# Altium PCB RTM_SFP_no-teardrops.PcbDoc (part 4 of 7) (continued)
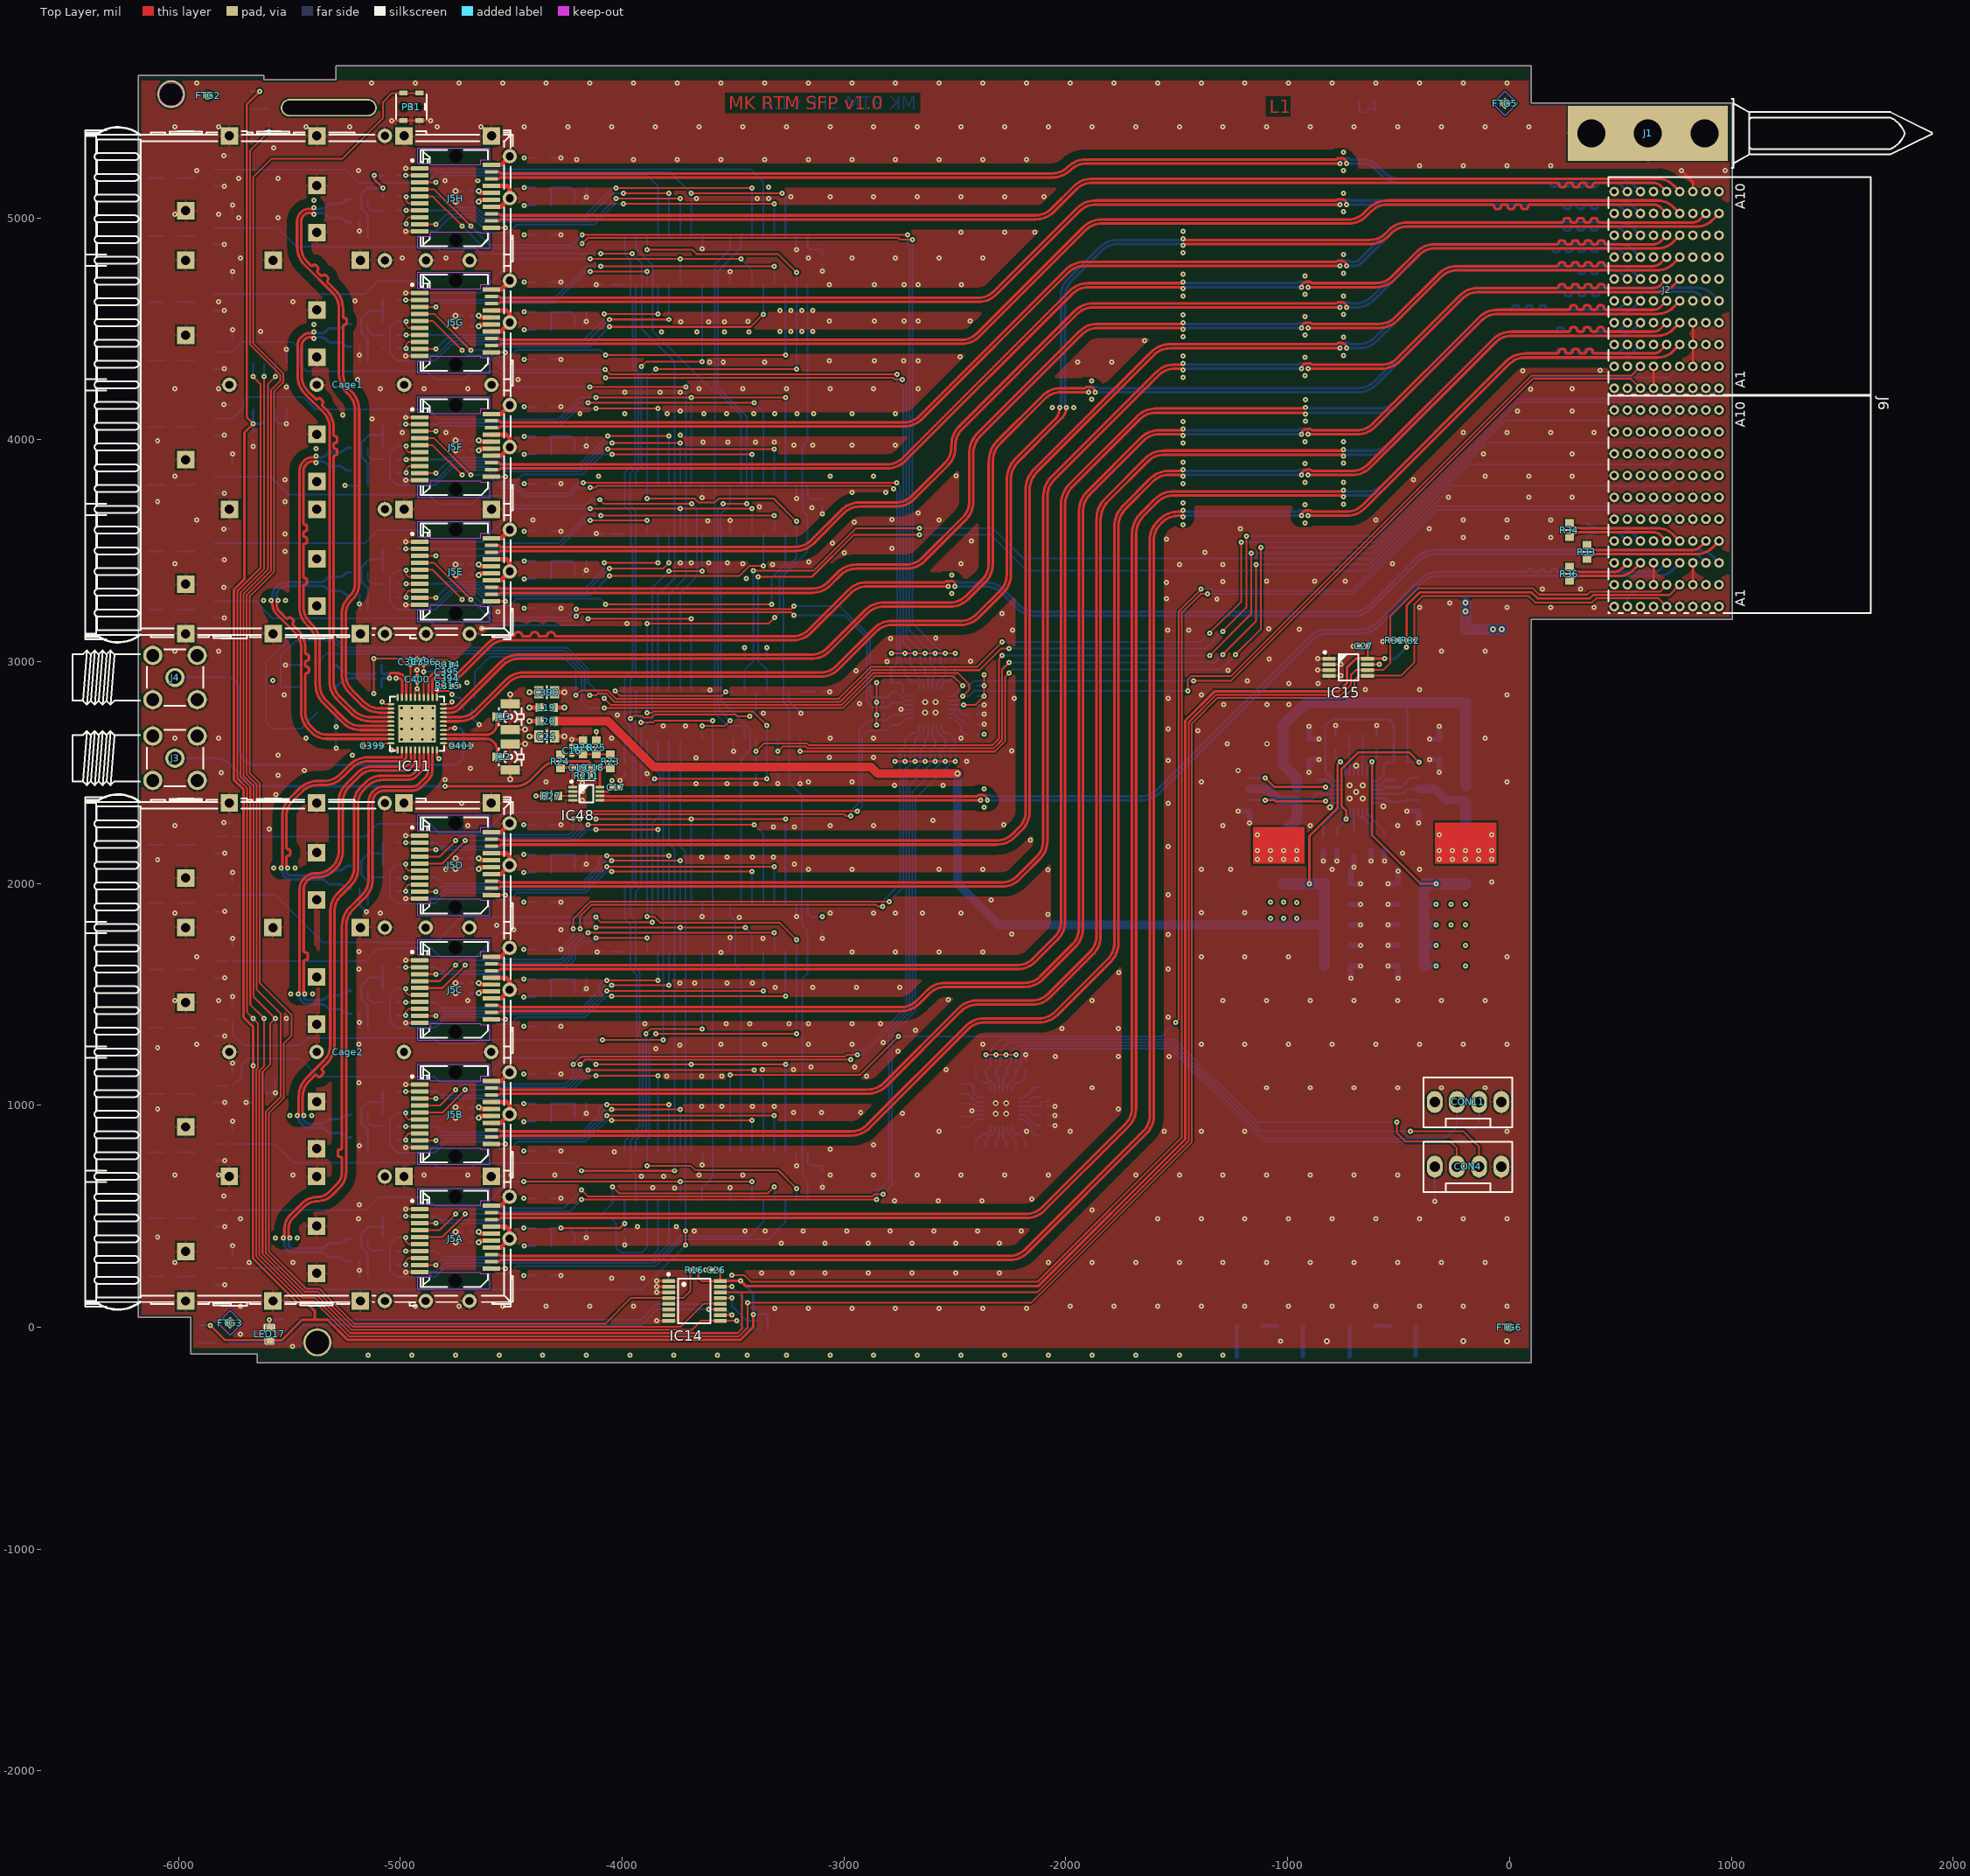
[diagram p0: Top Layer view]
## Nets (pads, with @x,y where several pads share a name; then routed paths per layer and width w, separated by ;. In a path a pad name is that pad's centre, name@x,y a point inside that pad or via, vN(x,y) a via of type N, cw(c..) or ccw(c..) an arc to the next point about the centre after c; other vN are vias at no path point) (continued)
  Bottom Layer w7.99: LD2F.1@-6138.78,3796.26 R11F.2@-6064.96,3796.26
NetLD2G_1: LD2G.1 R11G.2 | length 73.8
  Bottom Layer w7.99: LD2G.1@-6138.78,4357.28 R11G.2@-6064.96,4357.28
NetLD2H_1: LD2H.1 R11H.2 | length 73.8
  Bottom Layer w7.99: LD2H.1@-6138.78,4918.31 R11H.2@-6064.96,4918.31
NetR1A_1: R1A.1 T2A.3 | length 74.8
  Bottom Layer w7.99: R1A.1@-6000.41,490.11 T2A.3@-5925.61,490.11
NetR1B_1: R1B.1 T2B.3 | length 74.8
  Bottom Layer w7.99: R1B.1@-6000.98,1051.18 T2B.3@-5926.18,1051.18
NetR1C_1: R1C.1 T2C.3 | length 74.8
  Bottom Layer w7.99: R1C.1@-6000.98,1612.2 T2C.3@-5926.18,1612.2
NetR1D_1: R1D.1 T2D.3 | length 74.8
  Bottom Layer w7.99: R1D.1@-6000.98,2173.23 T2D.3@-5926.18,2173.23
NetR1E_1: R1E.1 T2E.3 | length 74.8
  Bottom Layer w7.99: R1E.1@-6001.97,3497.05 T2E.3@-5927.17,3497.05
NetR1F_1: R1F.1 T2F.3 | length 74.8
  Bottom Layer w7.99: R1F.1@-6001.97,4058.07 T2F.3@-5927.17,4058.07
NetR1G_1: R1G.1 T2G.3 | length 74.8
  Bottom Layer w7.99: R1G.1@-6001.97,4619.09 T2G.3@-5927.17,4619.09
NetR1H_1: R1H.1 T2H.3 | length 74.8
  Bottom Layer w7.99: R1H.1@-6001.97,5180.12 T2H.3@-5927.17,5180.12
NetR11A_1: R11A.1 T1A.3 | length 74.8
  Bottom Layer w7.99: R11A.1@-6000.41,228.3 T1A.3@-5925.61,228.3
NetR11B_1: R11B.1 T1B.3 | length 74.8
  Bottom Layer w7.99: R11B.1@-6000.98,789.37 T1B.3@-5926.18,789.37
NetR11C_1: R11C.1 T1C.3 | length 74.8
  Bottom Layer w7.99: R11C.1@-6000.98,1350.39 T1C.3@-5926.18,1350.39
NetR11D_1: R11D.1 T1D.3 | length 74.8
  Bottom Layer w7.99: R11D.1@-6000.98,1911.42 T1D.3@-5926.18,1911.42
NetR11E_1: R11E.1 T1E.3 | length 74.8
  Bottom Layer w7.99: R11E.1@-6001.97,3235.24 T1E.3@-5927.17,3235.24
NetR11F_1: R11F.1 T1F.3 | length 74.8
  Bottom Layer w7.99: R11F.1@-6001.97,3796.26 T1F.3@-5927.17,3796.26
NetR11G_1: R11G.1 T1G.3 | length 74.8
  Bottom Layer w7.99: R11G.1@-6001.97,4357.28 T1G.3@-5927.17,4357.28
NetR11H_1: R11H.1 T1H.3 | length 74.8
  Bottom Layer w7.99: R11H.1@-6001.97,4918.31 T1H.3@-5927.17,4918.31
NetR19_2: R19.2 R20.1 | length 68.9
  Bottom Layer w19.68: R20.1@-606.31,6.35 R19.2@-537.42,6.35
NetR21_2: R21.2 R22.1 | length 68.7
  Bottom Layer w19.68: R22.1@-1114.98,6.35 R21.2@-1046.28,6.35
P2: IC14.12 R7.1 | length 7568.1
  Top Layer w7.99: v1(-5593.31,5388.19) -5678.06,5303.44 -5678.06,4429.73 -5541.99,4293.66 -5541.99,4263.7 -5583.65,4222.05 -5583.65,3409.31 -5692.67,3300.28 -5692.67,2491.06 -5648.61,2446.99 -5648.61,1523.02 -5540.55,1414.96 -5540.55,1037.8 -5607.48,970.87 -5607.48,336.1 -5430.83,159.45 -5371.77,159.45 -5213.84,1.51 -3736.68,1.51 -3632.48,105.71 IC14.12@-3558.27,105.71
  Bottom Layer w7.99: v1(-5593.31,5388.19) R7.1@-5593.31,5428.6
P2_BLUE: LDy.1 R7.2 | length 81.9
  Bottom Layer w7.99: LDy.1@-5675.25,5491.59 R7.2@-5593.31,5491.59
P2V5: C176.2 C179.2 C180.2 C181.2 C182.2 IC16.1 L2.2 L20.1 R195.1 | length 5442.6
  Top Layer w10: v1(-901.97,1998.82) -901.97,2213.39 -775.07,2340.29 -775.07,2534.38 v1(-761.81,2547.64)
  Top Layer w39.37: L20.1@-4308.27,2731.5 -4064.17,2731.5 -3858.27,2525.59 -2878.35,2525.59 -2847.24,2494.49 v2(-2488.58,2494.49)
  Bottom Layer w10: R195.1@-783.86,2607.48 -783.86,2569.29 -740.55,2525.98 IC16.1@-740.55,2489.37
  Bottom Layer w39.37: v2(-2488.58,2494.49) -2488.58,2000 -2302.36,1813.78 C180.2@-833.46,1813.78
  Bottom Layer w50: L2.2@-1018.5,1998.82 v1(-901.97,1998.82) C176.2@-833.46,1998.82 C179.2@-833.46,1906.3 C180.2@-833.46,1813.78 C182.2@-833.46,1721.26 C181.2@-833.46,1628.74
  other v1: -1077.56,1843.7 -1018.5,1843.7 -959.45,1843.7 -1077.56,1915.35 -1018.5,1915.35 -959.45,1914.57
P2V5_CLEAN: C24.2 C399.2 C400.2 C401.2 IC11.5 IC11.6 IC11.11 IC11.20 IC11.31 IC11.40 L20.2 | length 440.1
  Top Layer w7.99: v1(-5082.28,2621.26) -5072.05,2631.5 IC11.20@-5042.52,2631.5 ; v1(-5082.28,2818.9) -5072.05,2808.66 IC11.11@-5042.52,2808.66 ; IC11.6@-4934.25,2838.19 -4934.25,2868.5 v1(-4924.41,2878.35) -4914.57,2868.5 IC11.5@-4914.57,2838.19 ; IC11.31@-4806.3,2631.5 -4776.77,2631.5 v1(-4766.54,2621.26) ; IC11.40@-4806.3,2808.66 -4776.77,2808.66 v1(-4766.54,2818.9)
  Top Layer w10: C399.2@-5110.63,2621.26 v1(-5082.28,2621.26) ; v1(-4924.41,2878.35) C400.2@-4924.41,2906.69 ; v1(-4766.54,2621.26) C401.2@-4738.19,2621.26
  Top Layer w19.68: v2(-4418.5,2662.6) C24.2@-4375.2,2662.6 ; v2(-4418.5,2731.5) L20.2@-4371.26,2731.5
P3: IC14.11 R8.1 | length 2274.8
  Top Layer w7.99: v1(-3610.43,80.12) IC14.11@-3558.27,80.12
  Bottom Layer w7.99: R8.1@-5770.68,-70.42 -5515.3,-70.42 -5435.43,9.45 -3913.39,9.45 -3842.72,80.12 v1(-3610.43,80.12)
P3_GREEN: LDx.1 R8.2 | length 75.8
  Bottom Layer w7.99: LDx.1@-5909.5,-70.42 R8.2@-5833.68,-70.42
P3V3: C1.1 C2.1 C3.1 C4.1 C6.1 C7.1 C8.1 C13A.1 C13B.1 C13C.1 C13D.1 C13E.1 C13F.1 C13G.1 C13H.1 C15.2 C17.1 C20.1 C22.1 C23.1 C186A.1 C186B.1 C186C.1 C186D.1 C186E.1 C186F.1 C186G.1 C186H.1 C202A.2 C202B.2 C202C.2 C202D.2 C202E.2 C202F.2 C202G.2 C202H.2 C208.2 C209.2 C210.2 C213.2 C402.2 C403.2 C404.2 CON4.4 CON11.4 IC1.14 IC2.16 IC3.16 IC4.16 IC5.16 IC6.16 IC7.16 IC8.16 IC9.16 IC10.16 IC16.6 IC20A.1 IC20B.1 IC20C.1 IC20D.1 IC20E.1 IC20F.1 IC20G.1 IC20H.1 IC39.21 IC40.21 IC48.7 L1.2 L5A.1 L5B.1 L5C.1 L5D.1 L5E.1 L5F.1 L5G.1 L5H.1 L11A.1 L11B.1 L11C.1 L11D.1 L11E.1 L11F.1 L11G.1 L11H.1 L19.1 LD1A.2 LD1B.2 LD1C.2 LD1D.2 LD1E.2 LD1F.2 LD1G.2 LD1H.2 LD2A.2 LD2B.2 LD2C.2 LD2D.2 LD2E.2 LD2F.2 LD2G.2 LD2H.2 R25.1 R27.2 R28.2 R29.2 R53.2 R316.2 R317.2 R318.2 R319.2 R320.2 R321.2 R322.2 R323.2 R324.2 R325.2 R328.1 R329.2 R330.2 R331.2 R332.2 R333.2 R334.2 R335.2 R336.2 R337.2 R338.2 R339.2 R340.2 R341.2 R342.2 R343.2 R344.2 R345.2 R346.2 R350.2 R351.2 R352.2 R353.2 R354.2 R355.2 R356.2 R357.2 R400A.2 R400B.2 R400C.2 R400D.2 R400E.2 R400F.2 R400G.2 R400H.2 R403A.2 R403B.2 R403C.2 R403D.2 R403E.2 R403F.2 R403G.2 R403H.2 R404A.2 R404B.2 R404C.2 R404D.2 R404E.2 R404F.2 R404G.2 R404H.2 | length 10641.8
  Top Layer w7.99: C17.1@-4044.88,2433.46 v1(-4044.88,2464.17) ; v1(-2853.74,2713.78) v1(-2853.74,2758.86) v1(-2853.74,2815.75) v1(-2853.74,2906.1) ; v1(-2785.83,3036.81) v1(-2724.61,3036.81) v1(-2679.53,3036.81) v1(-2634.25,3036.81) v1(-2588.98,3036.81) v1(-2543.9,3036.81) v1(-2498.82,3036.81) ; v1(-2770.67,2551.18) v1(-2724.61,2551.18) v1(-2679.53,2551.18) v1(-2634.25,2551.18) v1(-2588.98,2551.18) v1(-2543.9,2551.18) v1(-2498.82,2551.18) ; v1(-2461.81,2803.94) -2409.24,2803.94 v1(-2368.11,2845.08) v1(-2368.11,2890.55) v1(-2368.11,2939.96) ; v1(-2361.08,1228.73) v1(-2315.8,1228.73) v1(-2270.53,1228.73) v1(-2225.45,1228.73)
  Top Layer w10: v1(-5118.7,5190.94) -5118.7,5174.41 v1(-5078.74,5134.45) ; v1@-4390.16,2394.09 R27.2@-4350.39,2394.09 ; v1(-4276.74,446.84) -4009.46,446.84 v1(-3988.98,467.32) ; R25.1@-4115.75,2644.88 v1(-4115.75,2684.65) ; IC48.7@-4100.39,2413.78 -4064.57,2413.78 C17.1@-4044.88,2433.46 ; v1(-619.29,2547.64) -619.29,2217.72 -400.39,1998.82 v1(-331.1,1998.82)
  Top Layer w19.68: L19.1@-4308.27,2792.52 v2(-4261.02,2792.52)
  Bottom Layer w7.99: C3.1@-3098.43,697.09 -3098.43,728.2 ; C4.1@-3098.43,1819.14 v1(-3098.43,1850.24) ; C8.1@-3098.43,4826.24 -3098.43,4857.34 ; v1(-2853.74,2713.78) R322.2@-2822.64,2713.78 ; v1(-2853.74,2758.86) R323.2@-2822.64,2758.86 ; v1(-2853.74,2815.75) R329.2@-2822.64,2815.75 ; v1(-2853.74,2906.1) R331.2@-2822.64,2906.1 ; v1(-2724.61,2551.18) R321.2@-2724.61,2582.28 ; R332.2@-2724.61,3005.71 v1(-2724.61,3036.81) ; v1(-2679.53,2551.18) R320.2@-2679.53,2582.28 ; R333.2@-2679.53,3005.71 v1(-2679.53,3036.81) ; v1(-2634.25,2551.18) R319.2@-2634.25,2582.28 ; R334.2@-2634.25,3005.71 v1(-2634.25,3036.81) ; v1(-2588.98,2551.18) R318.2@-2588.98,2582.28 ; R335.2@-2588.98,3005.71 v1(-2588.98,3036.81) ; v1(-2543.9,2551.18) R317.2@-2543.9,2582.28 ; R336.2@-2543.9,3005.71 v1(-2543.9,3036.81) ; IC39.21@-2530.26,2803.94 v1(-2461.81,2803.94) C404.2@-2430.71,2803.94 ; v1(-2498.82,2551.18) R316.2@-2498.82,2582.28 ; R328.1@-2498.82,3005.71 v1(-2498.82,3036.81) ; R28.2@-2399.21,2672.44 v1(-2368.11,2672.44) ; R324.2@-2399.21,2845.08 v1(-2368.11,2845.08) ; R325.2@-2399.21,2890.55 v1(-2368.11,2890.55) ; R354.2@-2361.08,1197.63 v1(-2361.08,1228.73) ; R355.2@-2315.8,1197.63 v1(-2315.8,1228.73) ; R356.2@-2270.53,1197.63 v1(-2270.53,1228.73) ; R357.2@-2225.45,1197.63 v1(-2225.45,1228.73) ; IC40.21@-2211.81,995.67 C402.2@-2112.26,995.67 -2112.26,1009.79 -2107.05,1015 -2085.4,1015 -2080.76,1019.63 R345.2@-2080.76,1036.8
  Bottom Layer w10: C202D.2@-5148.03,1909.06 -5146.85,1909.06 IC20D.1@-5146.85,1976.38 -5146.85,2009.84 -5175.2,2038.19 -5175.2,2103.35 -5142.53,2136.02 -5079.3,2136.02 ; C202A.2@-5146.85,227.9 IC20A.1@-5146.85,295.23 -5146.85,328.94 -5176.18,358.27 -5176.18,421.26 -5144.5,452.94 -5079.3,452.94 ; C202B.2@-5146.85,788.98 IC20B.1@-5146.85,856.3 -5146.85,889.76 -5175.2,918.11 -5175.2,983.27 -5144.5,1013.97 -5079.3,1013.97 ; C202C.2@-5146.85,1346.06 IC20C.1@-5146.85,1413.39 -5146.85,1446.85 -5175.2,1475.2 -5175.2,1540.35 -5140.56,1574.99 -5079.3,1574.99 ; C202E.2@-5146.85,3231.89 IC20E.1@-5146.85,3299.21 -5146.85,3332.68 -5175.2,3361.02 -5175.2,3426.18 -5141.34,3460.04 -5078.74,3460.04 ; C202F.2@-5146.85,3793.31 IC20F.1@-5146.85,3860.63 -5146.85,3894.09 -5175.2,3922.44 -5175.2,3987.6 -5141.73,4021.06 -5078.74,4021.06 ; C202G.2@-5146.85,4352.36 IC20G.1@-5146.85,4419.69 -5146.85,4453.15 -5175.2,4481.5 -5175.2,4546.65 -5139.76,4582.09 -5078.74,4582.09 ; C202H.2@-5146.85,4912.99 IC20H.1@-5146.85,4980.32 -5146.85,5013.78 -5175.2,5042.13 -5175.2,5107.28 -5148.03,5134.45 v1(-5078.74,5134.45) R403H.2@-5078.74,5094.49 ; v1(-5118.7,5190.94) R400H.2@-5078.74,5190.94 ; R403A.2@-5079.3,404.32 -5079.3,452.94 ; R400A.2@-5079.3,500.78 -5079.3,452.94 ; R403B.2@-5079.3,965.35 -5079.3,1013.97 ; R400B.2@-5079.3,1061.8 -5079.3,1013.97 ; R403C.2@-5079.3,1526.37 -5079.3,1574.99 ; R400C.2@-5079.3,1622.83 -5079.3,1574.99 ; R403D.2@-5079.3,2087.39 -5079.3,2136.02 ; R400D.2@-5079.3,2183.85 -5079.3,2136.02 ; R403E.2@-5078.74,3411.42 -5078.74,3460.04 ; R400E.2@-5078.74,3507.87 -5078.74,3460.04 ; R403F.2@-5078.74,3972.44 -5078.74,4021.06 ; R400F.2@-5078.74,4068.9 -5078.74,4021.06 ; R404G.2@-5078.74,4411.22 R404G.2@-5078.74,4411.62 ; R403G.2@-5078.74,4533.46 -5078.74,4582.09 ; R400G.2@-5078.74,4629.92 -5078.74,4582.09 ; L5A.1@-4321.43,446.84 L5A.1@-4320.87,446.84 ; L5B.1@-4321.43,1007.87 L5B.1@-4320.87,1007.87 ; L5C.1@-4321.43,1568.89 L5C.1@-4320.87,1568.89 -4215.13,1568.89 C186C.1@-4215.13,1507.87 ; L5D.1@-4321.43,2129.91 L5D.1@-4320.87,2129.91 ; L11A.1@-4320.87,366.13 L5A.1@-4320.87,446.84 ; L11B.1@-4320.87,927.16 L5B.1@-4320.87,1007.87 ; L11C.1@-4320.87,1488.18 L5C.1@-4320.87,1568.33 ; L11D.1@-4320.87,2049.21 L5D.1@-4320.87,2129.91 ; L11E.1@-4320.87,3373.23 L5E.1@-4320.87,3453.94 C13E.1@-4232.28,3453.94 -4214.57,3436.22 C186E.1@-4214.57,3392.91 ; L11F.1@-4320.87,3934.25 L5F.1@-4320.87,4014.96 C13F.1@-4232.28,4014.96 -4214.57,3997.24 C186F.1@-4214.57,3953.94 ; L11G.1@-4320.87,4495.28 L5G.1@-4320.87,4575.98 C13G.1@-4232.28,4575.98 -4214.57,4558.27 C186G.1@-4214.57,4514.96 ; L11H.1@-4320.87,5056.3 L5H.1@-4320.87,5137.01 C13H.1@-4232.28,5137.01 -4214.57,5119.29 C186H.1@-4214.57,5075.98 ; C186B.1@-4215.13,946.84 -4215.13,1007.87 L5B.1@-4320.87,1007.87 ; C186D.1@-4215.13,2068.89 -4215.13,2129.91 L5D.1@-4320.87,2129.91 ; C186A.1@-4214.85,385.54 -4214.85,420.56 -4232.84,438.55 -4232.84,446.84 v1(-4276.74,446.84) L5A.1@-4320.87,446.84 ; C7.1@-4049.61,3576.47 IC4.16@-3988.78,3576.47 ; C6.1@-4049.61,4698.52 IC3.16@-3988.78,4698.52 ; C22.1@-4046.06,1691.43 IC6.16@-3988.78,1691.43 ; C2.1@-3988.98,436.81 v1(-3988.98,467.32) -3988.78,467.52 IC8.16@-3988.78,569.38 ; C1.1@-3988.78,2540.75 IC10.16@-3988.78,2647.13 ; IC1.14@-3198.03,2864.17 C23.1@-3131.5,2864.17 ; IC9.16@-3164.17,785.68 -3164.17,738.58 -3153.79,728.2 -3098.43,728.2 ; IC7.16@-3164.17,1907.72 -3164.17,1864.17 -3150.24,1850.24 v1(-3098.43,1850.24) ; IC5.16@-3164.17,3792.77 -3164.17,3745.67 -3150.25,3731.75 C20.1@-3098.43,3731.75 ; IC2.16@-3164.17,4914.82 -3164.17,4866.14 -3155.37,4857.34 -3098.43,4857.34 ; IC16.6@-642.13,2489.37 -642.13,2524.8 -598.82,2568.11 R53.2@-598.82,2607.48 ; C403.2@-337.02,623.62 CON4.4@-337.02,723.87
  Bottom Layer w25: C15.2@-384.65,1628.74 v1(-331.1,1628.74) ; C213.2@-384.65,1721.26 v1(-331.1,1721.26) ; C210.2@-384.65,1813.78 v1(-331.1,1813.78) ; C208.2@-384.65,1906.3 v1(-331.1,1906.3)
  Bottom Layer w50: C15.2@-384.65,1628.74 C213.2@-384.65,1721.26 C210.2@-384.65,1813.78 C208.2@-384.65,1906.3 C209.2@-384.65,1998.82 v1(-331.1,1998.82) L1.2@-197.64,1998.82
  other v1: -197.64,1628.74 -197.64,1721.26 -264.17,1813.78 -197.64,1813.78 -264.17,1906.3 -197.64,1906.3 -4388.98,2394.09
P3V3_CLEAN: C390.2 C391.2 L19.2 OSC1.6 R311.2 | length 231.5
  Top Layer w19.68: v2(-4418.5,2792.52) L19.2@-4371.26,2792.52 ; v2(-4418.5,2861.42) C390.2@-4375.2,2861.42
  Bottom Layer w7.99: R311.2@-5575.98,2884.65 v1(-5575.98,2915.35)
  Bottom Layer w10: C391.2@-5289.76,2674.41 v1(-5289.76,2707.09) OSC1.6@-5289.76,2784.65
P3V3MP: C21.1 C25.1 C26.1 C27.1 IC12.8 IC13.7 IC13.8 IC14.16 IC15.8 J6.C2 LDx.2 LDy.2 LED17.A R14.1 R15.1 R16.1 R31.1 R32.1 | length 16349.4
  Top Layer w10: v1(-5857.14,8.32) -5790.21,-58.61 LED17.A@-5590.6,-58.61 ; v1(-5663.8,1178.87) -5664.45,1178.21 -5664.45,309.97 -5455.17,100.68 ; v1(-5663.8,4072.03) -5693.06,4101.29 -5693.06,5511.28 v1(-5634,5570.33) ; R16.1@-3657.09,257.48 -3657.09,223.62 -3641.54,208.07 IC14.16@-3558.27,208.07 C26.1@-3558.27,257.48 ; IC15.8@-639.37,3013.19 C27.1@-639.37,3069.69 ; R31.1@-501.59,3096.06 R32.1@-464.17,3096.06 ; v1(-464.17,3064.96) R32.1@-464.17,3096.06 ; J6.C2@767.72,3346.46 721.07,3299.81 376.98,3299.81 362.2,3285.04 125.98,3285.04 98.03,3312.99 -402.76,3312.99 -464.17,3251.57 R32.1@-464.17,3096.06
  Top Layer w11.81: v1(-5663.8,1178.87) -5663.8,1352.77 -5706.57,1395.55 -5706.57,2423.11 -5750.55,2467.08 -5750.55,3324.26 -5703.15,3371.65 -5703.15,4032.68 v1(-5663.8,4072.03) ; LED17.A@-5590.6,-58.61 -5534.98,-58.61 -5442.91,33.46 -5328.89,33.46 -5239.06,-56.37 -3466.02,-56.37 -3408.66,0.99 v1(-3408.66,57.87) ; -5455.17,100.68 -5413.68,100.68 -5385.43,72.44 -5385.43,33.46 ; IC14.16@-3558.27,208.07 v1(-3465.75,208.07) -3443.7,186.02 -2123.1,186.02 -1461.81,847.31 -1461.81,2733.64 -1328.91,2866.54 -768.41,2866.54 -733.02,2901.93 -733.02,2973.67 -693.5,3013.19 IC15.8@-639.37,3013.19 v1(-562.99,3013.19)
  Bottom Layer w10: LDx.2@-5909.5,8.32 v1(-5857.14,8.32) ; LDy.2@-5675.25,5570.33 v1(-5634,5570.33) ; C21.1@-5663.8,1048.03 IC12.8@-5663.8,1117.58 v1(-5663.8,1178.87) ; C25.1@-5663.8,4036.42 v1(-5663.8,4072.03) ; IC13.8@-5663.8,4133.32 v1(-5663.8,4072.03) ; IC13.7@-5613.8,4133.32 -5613.8,4084.63 -5626.39,4072.03 v1(-5663.8,4072.03) ; v1(-3408.66,57.87) -3350,57.87 -3342.91,50.79 R15.1@-3342.91,30.32 R14.1@-3342.91,-7.09
  Bottom Layer w11.81: v1(-3465.75,208.07) -3408.66,150.98 v1(-3408.66,57.87) ; v1(-562.99,3013.19) -515.94,3013.19 v1(-464.17,3064.96)
P4: IC14.10 R9.1 | length 2060.2
  Top Layer w7.99: IC14.10@-3558.27,54.53 v1(-3506.1,54.53)
  Bottom Layer w7.99: R9.1@-5463.78,34.25 -3912.6,34.25 -3841.73,105.12 -3556.69,105.12 v1(-3506.1,54.53)
P4_RED: LED17.K R9.2 | length 101.7
  Top Layer w10: LED17.K@-5590.6,-3.61 v1(-5590.6,34.25)
  Bottom Layer w10: v1(-5590.6,34.25) R9.2@-5526.77,34.25
P12V: C9.2 C10.2 C12.2 C14.2 C84.1 F1.2 IC16.17 R17.1 T5.5 T5.6 T6.5 T6.6 | length 2639.5
  Top Layer w10: v1(-736.22,2290.94) -736.22,2327.95 -756.3,2348.03 -756.3,2516.34 -681.1,2591.54 -452.56,2591.54 v1(-408.27,2547.24)
  Bottom Layer w10: C84.1@-777.95,2209.84 -777.95,2249.21 v1(-736.22,2290.94) -720.87,2306.3 IC16.17@-720.87,2335.83 ; -458.66,2814.17 R17.1@-458.66,2547.24 v1(-408.27,2547.24)
  Bottom Layer w50: -958.66,2438.98 T5.5@-958.66,2475.79 -1021.65,2538.78 C9.2@-1021.65,2558.66 C10.2@-1021.65,2651.18 -1021.65,2710.24 -916.54,2815.35 F1.2@-197.64,2815.35 C14.2@-197.64,2651.18 C12.2@-197.64,2558.66 T6.5@-197.64,2475.79 -197.64,2438.98
RTM_IO0: IC14.13 J6.C5 R15.2 | length 7497.2
  Top Layer w7.99: IC14.13@-3558.27,131.3 v1(-3506.1,131.3) ; v1(-3506.1,235.04) -3449.61,235.04 -3420.28,205.71 -2125.9,205.71 -1477.71,853.9 -1477.71,3219.53 -1392.58,3304.66 v1(-1360.63,3304.66)
  Bottom Layer w7.99: v1(-3506.1,235.04) -3531.5,209.65 -3531.5,156.69 v1(-3506.1,131.3) -3506.1,96.65 -3439.76,30.32 R15.2@-3378.35,30.32 ; v1@-1361.81,3304.66 -706.37,3304.66 -327.97,3683.07 726.38,3683.07 J6.C5@767.72,3641.73
RTM_IO1: J6.C6 R6.2 | length 6633.2
  Top Layer w7.99: v1(-3514.17,1136.85) -2928.51,1136.85 v1(-2753.87,1311.48) ; v1(-1505.91,1373.23) -1491.71,1387.43 -1491.71,3225.33 -1390.26,3326.77 v1(-1390.16,3326.77)
  Bottom Layer w7.99: R6.2@-3514.17,947.24 v1(-3514.17,1136.85) ; v1(-2753.87,1311.48) -1567.65,1311.48 v1(-1505.91,1373.23) ; v1(-1390.16,3326.77) -1341.73,3326.77 -1333.62,3318.66 -712.16,3318.66 -331.61,3699.21 726.77,3699.21 J6.C6@767.72,3740.16
RTM_IO2: IC1.11 J6.C7 R5.2 | length 5012
  Top Layer w8: v1(-3387.01,3382.28) -3144.88,3382.28 -2956.3,3570.87 v1(-2660.24,3570.87)
  Bottom Layer w7.99: v1(-2660.24,3570.87) -2338.07,3570.87 -2176.26,3409.06 -641.56,3409.06 -613.69,3436.92 -259.27,3791.34 720.47,3791.34 J6.C7@767.72,3838.58
  Bottom Layer w8: v1(-3387.01,3382.28) -3387.01,3001.57 R5.2@-3348.03,2962.6 IC1.11@-3348.03,2864.17
RTM_IO3: IC1.3 J6.C8 R13.2 | length 5066.8
  Top Layer w7.99: v1(-1292.52,3031.5) -1142.52,3181.5 v1(-1142.52,3437.4)
  Top Layer w8: v1(-3298.03,2594.88) -3276.22,2616.69 -3172.38,2616.69 -3164.57,2608.88 -2325.88,2608.88 -2287.62,2647.14 -2287.62,2964.35 v1(-2255.91,2996.06)
  Bottom Layer w7.99: v1(-1142.52,3437.4) -633.01,3437.4 -623.59,3446.82 ; -620.41,3450 -623.59,3446.82 ; J6.C8@767.72,3937.01 720.08,3889.37 -181.04,3889.37 -623.59,3446.82
  Bottom Layer w8: R13.2@-3298.03,2553.15 v1(-3298.03,2594.88) IC1.3@-3298.03,2651.57 ; v1(-2255.91,2996.06) -1327.95,2996.06 v1(-1292.52,3031.5)
RTM_IO4: IC1.9 J6.C9 R2.2 | length 5109.9
  Top Layer w7.99: v1(-3409.84,3409.06) -3138.58,3409.06 -2946.85,3600.79 v1(-2660.24,3600.79)
  Bottom Layer w7.99: IC1.9@-3448.03,2864.17 R2.2@-3448.03,2962.6 -3409.84,3000.79 v1(-3409.84,3409.06) ; v1(-2660.24,3600.79) -2328.4,3600.79 -2192.96,3465.35 -624.86,3465.35 -103.2,3987.01 719.29,3987.01 J6.C9@767.72,4035.43
RTM_IO5: IC1.5 J6.C10 R3.2 | length 5278.7
  Top Layer w7.99: v1(-1351.97,3027.17) -1164.57,3214.57 v1(-1164.57,3488.98)
  Top Layer w8: v1(-3397.64,2594.88) -3361.83,2630.69 -3165.73,2630.69 -3157.92,2622.88 -2331.68,2622.88 -2301.62,2652.94 -2301.62,3012.55 v1(-2287.01,3027.17)
  Bottom Layer w7.99: v1(-1164.57,3488.98) -621.03,3488.98 -459.33,3650.67 -22.21,4087.8 721.65,4087.8 J6.C10@767.72,4133.86
  Bottom Layer w8: R3.2@-3397.64,2553.15 v1(-3397.64,2594.88) IC1.5@-3397.64,2651.18 ; v1(-2287.01,3027.17) v1(-1351.97,3027.17)
RTM_IO6: IC1.1 J2.A1 R4.2 | length 5304.9
  Top Layer w7.99: v1(-1235.43,3031.5) -1120.47,3146.46 v1(-1120.47,3514.17)
  Top Layer w8: v1(-3198.03,2594.88) -2320.08,2594.88 -2273.62,2641.34 -2273.62,2931.5 v1(-2255.91,2949.21)
  Bottom Layer w7.99: v1(-1120.47,3514.17) -615.63,3514.17 -469.23,3660.57 40.22,4170.03 882.63,4170.03 J2.A1@944.88,4232.28
  Bottom Layer w8: R4.2@-3198.03,2553.15 v1(-3198.03,2594.88) IC1.1@-3198.03,2651.57 ; v1(-2255.91,2949.21) -2240.16,2964.96 -1301.97,2964.96 v1(-1235.43,3031.5)
RTM_IO7: J2.A2
RTM_IO8: J2.C1 R391.2 | length 6480.1
  Top Layer w7.99: v1(-4208.66,2847.64) -4185.85,2870.44 -4066.67,2870.44 -4028.75,2832.53 -3023.58,2832.53 -2880.08,2976.03 -2474.64,2976.03 -2474.02,2975.41 -2400.97,2975.41 v1(-2287.01,3089.37) ; v1@-1351.77,3128.54 -1208.66,3271.65 v1(-1208.66,3537.8)
  Bottom Layer w7.99: R391.2@-4663.78,2838.19 -4663.78,2953.94 -4596.67,3021.05 -4265.93,3021.05 -4208.66,2963.78 v1(-4208.66,2847.64) ; v1@-2290.94,3089.37 -1391.34,3089.37 v1(-1351.97,3128.74) ; v1(-1208.66,3537.8) -611.81,3537.8 -479.13,3670.47 34.43,4184.03 719.46,4184.03 J2.C1@767.72,4232.28
RTM_IO9: J2.C2 OSC1.2 R311.1 | length 7554.5
  Top Layer w7.99: v1(-4145.28,2847.64) -4117.72,2847.64 -4108.9,2856.45 -4072.46,2856.45 -4034.55,2818.54 -3017.79,2818.54 -2874.28,2962.04 -2480.44,2962.04 -2479.82,2961.42 -2388.58,2961.42 -2291.73,3058.27 v1(-2255.91,3058.27) ; v1@-1292.91,3136.22 -1186.61,3242.52 v1(-1186.61,3564.96)
  Bottom Layer w7.99: OSC1.2@-5455.12,2884.65 R311.1@-5540.55,2884.65 -5540.55,3025.98 -5472.44,3094.09 -5303.05,3094.09 -5258.77,3049.82 -4255.13,3049.82 -4168.87,2963.56 -4168.87,2871.23 v1(-4145.28,2847.64) ; v1(-2255.91,3058.27) -1370.87,3058.27 v1@-1292.91,3136.22 ; v1(-1186.61,3564.96) -604.43,3564.96 -489.03,3680.37 112.32,4281.72 718.72,4281.72 J2.C2@767.72,4330.71
  other v1: -1292.52,3135.83
RTM_IO10: IC39.19 J2.E1 OSC1.8 R325.1 | length 6918.7
  Top Layer w7.99: v1(-4081.5,2790.55) -3006.2,2790.55 -2862.69,2934.06 -2508.27,2934.06 v1(-2464.76,2890.55)
  Top Layer w8: v1(-1423.62,2913.78) -1256.58,2913.78 104.22,4274.59 548.25,4274.59 J2.E1@590.55,4232.28
  Bottom Layer w7.99: OSC1.8@-5372.44,2996.95 -5333.56,3035.83 -4260.92,3035.83 -4182.86,2957.76 -4182.86,2815.54 -4157.87,2790.55 v1(-4081.5,2790.55) ; IC39.19@-2530.26,2843.31 -2512,2843.31 v1(-2464.76,2890.55) R325.1@-2434.65,2890.55 -2434.65,2892.88 -2413.75,2913.78 v1(-1423.62,2913.78)
RTM_IO11: IC39.20 J2.E2 OSC1.7 R324.1 | length 7845.5
  Top Layer w7.99: v1(-4081.5,2834.65) -4051.39,2804.54 -3011.99,2804.54 -2868.49,2948.05 -2486.24,2948.05 -2434.65,2896.46 -2434.65,2875.2 v1(-2464.76,2845.08) ; v1(-1450.43,2866.89) -1450.43,2917.81 -1432.65,2935.59 -1254.57,2935.59 98.43,4288.58 548.43,4288.58 J2.E2@590.55,4330.71
  Bottom Layer w7.99: OSC1.7@-5372.44,2772.34 -5446.36,2698.43 -5577.17,2698.43 -5606.3,2727.56 -5606.3,2995.67 -5520.08,3081.89 -5493.87,3108.09 -5297.25,3108.09 -5252.98,3063.81 -4249.33,3063.81 -4154.87,2969.36 -4154.87,2908.02 v1(-4081.5,2834.65) ; IC39.20@-2530.26,2823.63 -2486.21,2823.63 v1(-2464.76,2845.08) R324.1@-2434.65,2845.08 -2434.65,2847.41 -2415.17,2866.89 v1(-1450.43,2866.89)
RTM_IO12: J6.A7
RTM_LVD0_N: J6.F5
RTM_LVD0_P: J6.E5
RTM_LVD1_N: J6.F6
RTM_LVD1_P: J6.E6
RTM_LVD2_N: J6.F7
RTM_LVD2_P: J6.E7
RTM_LVD3_N: J6.F8
RTM_LVD3_P: J6.E8
RTM_LVD4_N: J6.F9
RTM_LVD4_P: J6.E9
RTM_LVD5_N: J6.F10
RTM_LVD5_P: J6.E10
RTM_LVD6_N: J6.B5
RTM_LVD6_P: J6.A5
RTM_LVD7_N: J6.B6
RTM_LVD7_P: J6.A6
SFP1RX_N: J2.D10 J5H.12 | length 5442.9
  Top Layer w12: J5H.12@-4589.58,4986.47 -4553.96,4986.47 -4547.21,4993.22 -2136.48,4993.22 ccw(c-2136.48,5110.23) -2053.74,5027.49 -1951.86,5129.37 cw(c-1881.15,5058.66) -1881.15,5158.66 214.37,5158.66 cw(c214.37,5148.62) 224.41,5148.62 ccw(c234.25,5148.62) 234.25,5138.78 244.29,5138.78 ccw(c244.29,5148.62) 254.13,5148.62 cw(c264.17,5148.62) 263.98,5158.66 275.59,5158.66 cw(c275.59,5148.62) 285.63,5148.62 ccw(c295.47,5148.62) 295.47,5138.78 305.51,5138.78 ccw(c305.51,5148.62) 315.35,5148.62 cw(c325.39,5148.62) 325.2,5158.66 336.81,5158.66 cw(c336.81,5148.62) 346.85,5148.62 ccw(c356.69,5148.62) 356.69,5138.78 366.73,5138.78 ccw(c366.73,5148.62) 376.57,5148.62 cw(c386.61,5148.62) 386.42,5158.66 647.2,5158.66 cw(c647.2,5108.19) 682.89,5143.88 J2.D10@708.66,5118.11
SFP1RX_P: J2.C10 J5H.13 | length 5439.2
  Top Layer w12: J5H.13@-4589.58,5017.97 -4553.96,5017.97 -4547.21,5011.22 -2136.89,5011.22 ccw(c-2136.89,5111.22) -2066.18,5040.51 -1964.57,5142.12 cw(c-1881.18,5058.73) -1881.18,5176.66 667.74,5176.66 cw(c667.74,5076.66) 738.45,5147.37 J2.C10@767.72,5118.11
SFP1TX_N: J2.F10 J5H.19 | length 5276.7
  Top Layer w12: J5H.19@-4589.58,5206.95 -4553.96,5206.95 -4547.21,5200.2 -2061.3,5200.2 ccw(c-2061.3,5300.2) -1990.59,5229.49 cw(c-1909.25,5148.14) -1909.25,5263.18 -779.85,5263.18 -774.04,5268.99 -758.06,5268.99 cw(c-758.06,5245.18) v1(-734.25,5245.18)
  Bottom Layer w12: v1@-728.44,5245.18 -666.54,5245.18 cw(c-666.54,5159.09) -605.69,5219.99 -578.78,5193.09 ccw(c-495.67,5276.21) -495.67,5158.66 179.33,5158.66 cw(c179.32,5150.59) 187.4,5150.59 ccw(c196.65,5150.59) 196.65,5141.34 207.47,5141.35 ccw(c207.47,5150.6) 216.73,5150.6 cw(c224.79,5150.6) 224.79,5158.66 237.79,5158.66 cw(c237.79,5150.59) 245.86,5150.59 ccw(c255.11,5150.59) 255.11,5141.34 265.94,5141.35 ccw(c265.94,5150.6) 275.19,5150.6 cw(c283.26,5150.6) 283.26,5158.66 296.26,5158.66 cw(c296.26,5148.62) 306.3,5148.62 ccw(c315.75,5148.62) 315.75,5139.18 326.57,5139.18 ccw(c326.57,5148.62) 336.02,5148.62 cw(c346.06,5148.62) 346.06,5158.66 357.48,5158.66 cw(c357.48,5148.62) 367.52,5148.62 ccw(c376.97,5148.62) 376.97,5139.18 387.8,5139.18 ccw(c387.8,5148.62) 397.24,5148.62 cw(c407.28,5148.62) 407.09,5158.66 470.04,5158.66 cw(c470.04,5108.19) 505.73,5143.88 J2.F10@531.5,5118.11
SFP1TX_P: J2.E10 J5H.18 | length 5278.7
  Top Layer w12: J5H.18@-4589.58,5175.45 -4553.96,5175.45 -4547.21,5182.2 -2060.8,5182.2 ccw(c-2060.8,5298.99) -1978.22,5216.41 ; -1978.19,5216.43 cw(c-1908.75,5146.94) -1908.75,5245.18 v1(-764.17,5245.18)
  Bottom Layer w12: v1(-764.17,5245.18) cw(c-740.36,5245.18) -740.36,5268.99 -724.39,5268.99 -718.58,5263.18 -666.31,5263.18 cw(c-666.31,5159.64) -593.09,5232.85 -566.19,5205.95 ccw(c-495.48,5276.66) -495.48,5176.66 490.58,5176.66 cw(c490.58,5076.66) 561.29,5147.37 J2.E10@590.55,5118.11 J2.E10@579.29,5129.37